# Altium PCB PCB_3U_DDS.PcbDoc (part 5 of 12)
Units mil, origin at the board's own origin, x right, y up, seen from the top; angles counter-clockwise.
Board outline 6338.37 x 3937 mil, 6 copper layers (L1, P2, L3, L4, P5, L6), stack 64.885 mil thick; 954 components, 537 nets, 3358 pads, 2342 vias.
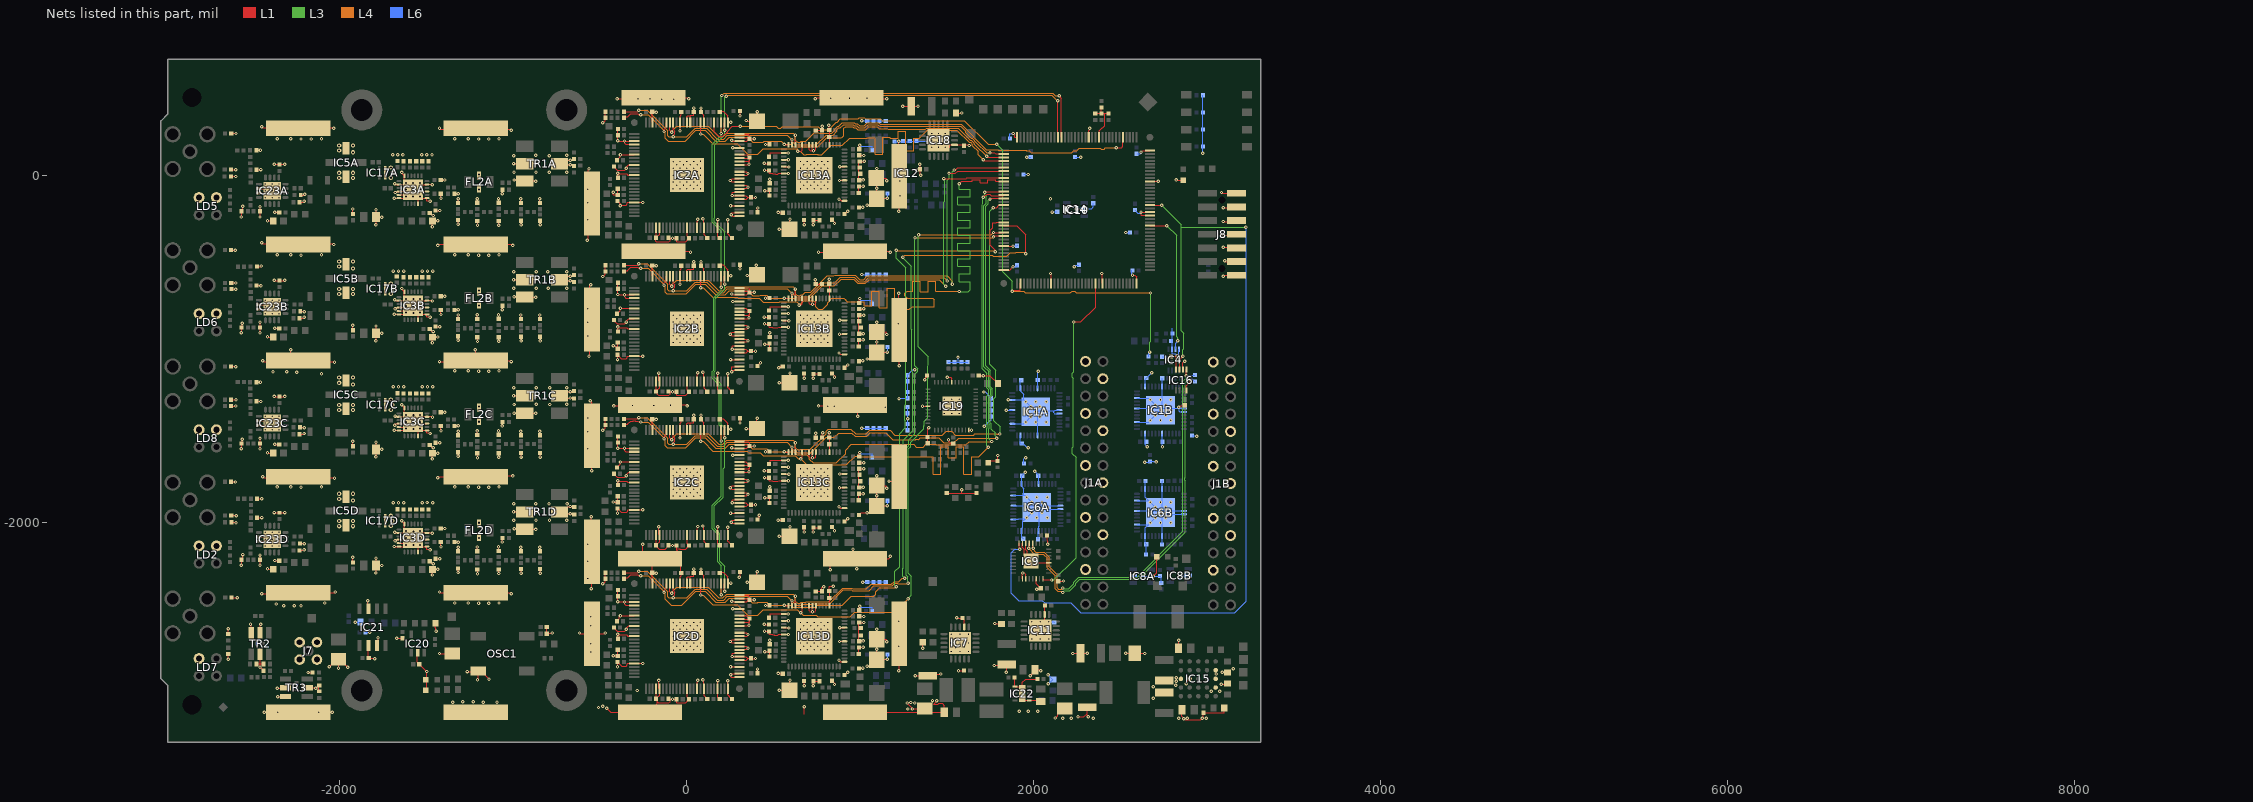
[diagram p9: the nets of this part, all layers, seen from the top]

## Via types
v1: diameter 19.68, hole 7.87, L1 to L6, tented both sides, 2254 vias
v2: diameter 23.62, hole 11.81, L1 to L6, tented both sides, 88 vias

## Nets (pads, with @x,y where several pads share a name; then routed paths per layer and width w, separated by ;. In a path a pad name is that pad's centre, name@x,y a point inside that pad or via, vN(x,y) a via of type N, cw(c..) or ccw(c..) an arc to the next point about the centre after c; other vN are vias at no path point) (continued)
DDS_PROFILE.P1: IC2A.53 IC2B.53 IC2C.53 IC2D.53 IC10.131 | length 5465.4
  L1 w5: IC2D.53@196.85,-2354.33 198.82,-2356.3 v1(198.82,-2418.41) ; IC2C.53@196.85,-1468.5 198.82,-1470.47 v1(198.82,-1532.58) ; IC2B.53@196.85,-582.68 198.82,-584.65 v1(198.82,-646.76) ; IC2A.53@196.85,303.15 198.87,301.13 v1(198.87,240.21) ; v1(2146.86,457.17) 2159.45,444.58 IC10.131@2159.45,218.4
  L3 w5: v1(198.82,-2418.41) 198.82,-2250.32 178.42,-2229.93 178.42,-2070.37 147.85,-2039.8 147.85,-1902.3 198.05,-1852.1 198.05,-1533.35 v1(198.82,-1532.58) 198.82,-1453.32 187.87,-1442.38 187.87,-1209.91 147.85,-1169.89 147.85,-1129.69 153.87,-1123.67 153.87,-707.28 198.82,-662.33 v1(198.82,-646.76) 198.82,-323.32 147.85,-272.36 147.85,177.7 198.87,228.72 v1(198.87,240.21) 198.87,457.08 198.82,457.13 v1(200.86,459.17)
  L4 w5: v1(200.86,459.17) 214.19,472.5 2108.07,472.5 2123.39,457.17 v1(2146.86,457.17)
DDS_PROFILE.P2: IC2A.52 IC2B.52 IC2C.52 IC2D.52 IC10.132 | length 5333.1
  L1 w5: IC2D.52@216.54,-2354.33 216.54,-2398.72 217.21,-2399.4 v1(217.77,-2399.4) ; IC2C.52@216.54,-1468.5 216.54,-1512.9 217.21,-1513.57 v1(217.77,-1513.57) ; IC2B.52@216.54,-582.68 216.54,-627.07 217.21,-627.74 v1(217.77,-627.74) ; IC2A.52@216.54,303.15 216.54,258.76 217.21,258.09 v1(217.77,258.09) ; v1(2137.86,429.17) 2137.86,220.31 IC10.132@2139.76,218.4
  L3 w5: v1(217.77,-2399.4) 217.77,-2253.74 189.41,-2225.38 189.41,-2065.82 158.84,-2035.25 158.84,-1906.85 209.04,-1856.65 209.04,-1692.06 217.77,-1683.33 v1(217.77,-1513.57) 217.77,-1456.74 198.86,-1437.83 198.86,-1205.36 158.84,-1165.34 158.84,-1134.24 164.86,-1128.22 164.86,-711.83 217.77,-658.91 v1(217.77,-627.74) 217.77,-326.74 158.84,-267.81 158.84,-248.42 160.86,-246.4 160.86,175.17 217.77,232.09 v1(217.77,258.09) 219.19,259.5 219.19,452.5 222.86,456.17 224.86,454.17 v1(226.86,454.17)
  L4 w5: v1(226.86,454.17) 226.86,456.17 231.44,460.76 805.51,460.76 806.69,459.58 821.15,459.58 822.33,460.76 2104.27,460.76 2135.86,429.17 v1(2137.86,429.17)
DDS_RESET: IC10.120 R142.2 R144.2 R145.2 R146.2 | length 267
  L1 w5.98: R146.2@2354,355.5 2355.5,357 R144.2@2390,357 ; IC10.120@2375.98,218.4 2375.98,255.8 2393.35,273.17 2397.39,273.17 2407.83,283.61 2407.83,301.41 2410.2,303.77 2410.2,335.37 2409.69,335.88 2409.69,337 2410,337.31 2410,355.5 ; R142.2@2391,390.5 2390,389.5 R144.2@2390,357 ; R145.2@2431,355.5 2410,355.5 ; R144.2@2390,357 R144.2@2390,355.5 2410,355.5
DDS_SCKI0: IC2A.69 IC10.3 IC13A.64 R40A.2 | length 2642.9
  L1 w5: R40A.2@-362.6,330.61 -362.6,322.76 -358.68,326.68 -349.33,336.03 -341.54,336.03 -340.81,336.75 -340.81,337.33 -324.08,354.05 -308.38,354.05 -307.98,354.46 -298.32,354.46 -297.92,354.05 -283.33,354.05 -275.63,346.35 -273.34,348.64 v1(-266.5,348.64) ; v1(-131.89,251.87) -131.89,261.62 -118.11,275.4 IC2A.69@-118.11,303.15 ; v1(562.01,177.06) 563.87,175.2 IC13A.64@586.22,175.2 ; v1(1727.95,108.27) 1733.96,102.26 IC10.3@1826.77,102.26
  L4 w5: v1(-266.5,348.64) -222.76,348.64 -128.94,254.82 -124.34,250.22 -124.34,211.83 -107.7,195.19 -10.41,195.19 52.17,257.77 105.31,257.77 166.31,196.78 222.47,196.78 245.08,219.39 350.3,219.39 380.2,189.48 440.44,189.48 445.76,194.8 544.27,194.8 v1(562.01,177.06) 598.97,177.06 612.86,163.17 754.01,163.17 805.28,214.43 890.99,214.43 895.75,219.19 896.44,219.19 905.51,228.26 905.51,270.45 915.35,280.3 955.41,280.3 961.47,274.23 973.89,274.23 986.51,261.61 1031.3,261.61 1049.98,280.3 1096.79,280.3 1108.76,268.33 1154.45,268.33 1159.6,263.17 1374.05,263.17 1381.6,270.72 1564.74,270.72 1634.99,200.47 1640.09,200.47 1657.26,183.3 1657.26,178.2 1659.8,175.66 1660.56,175.66 v1(1727.95,108.27)
DDS_SCKI1: IC2B.69 IC10.9 IC13B.64 R40B.2 | length 3188.7
  L1 w5: R40B.2@-362.6,-555.22 -362.6,-563.07 -358.68,-559.14 -349.33,-549.8 -341.54,-549.8 -340.81,-549.07 -340.81,-548.49 -324.08,-531.77 -308.38,-531.77 -307.98,-531.37 -298.32,-531.37 -297.92,-531.77 -283.33,-531.77 -275.63,-539.47 -273.34,-537.19 v1(-266.5,-537.19) ; v1(-131.89,-633.96) -131.89,-624.2 -118.11,-610.42 IC2B.69@-118.11,-582.68 ; v1(562.01,-708.76) 563.87,-710.63 IC13B.64@586.22,-710.63 ; v1(1481.89,-19.69) 1609.84,-19.69 1613.68,-15.85 IC10.9@1826.77,-15.85
  L3 w5: v1(1481.89,-19.69) 1487.85,-25.65 1487.85,-151.62 1481.89,-157.58 1481.89,-629.92 v1(1491.73,-639.76)
  L4 w5: v1(-266.5,-537.19) -222.76,-537.19 -128.94,-631.01 -124.34,-635.61 -124.34,-673.99 -114.55,-683.78 -3.56,-683.78 52.17,-628.06 105.31,-628.06 166.31,-689.05 222.47,-689.05 245.08,-666.44 350.3,-666.44 380.2,-696.34 416.75,-696.34 422.07,-691.03 460.94,-691.03 478.67,-708.76 v1(562.01,-708.76) 619.19,-708.76 628.98,-718.55 662.36,-718.55 668.07,-712.84 704.69,-712.84 779.7,-637.83 850.17,-637.83 889.17,-598.83 961.12,-598.83 986.51,-624.22 1028.99,-624.22 1050.38,-602.83 1454.8,-602.83 v1(1491.73,-639.76)
DDS_SCKI2: IC2C.69 IC10.13 IC13C.64 R40C.2 | length 4089
  L1 w5: R40C.2@-362.6,-1441.05 -362.6,-1448.89 -358.68,-1444.97 -349.33,-1435.63 -341.54,-1435.63 -340.81,-1434.9 -340.81,-1434.32 -324.08,-1417.6 -308.38,-1417.6 -307.98,-1417.2 -298.32,-1417.2 -297.92,-1417.6 -283.33,-1417.6 -275.63,-1425.3 -273.34,-1423.01 v1(-266.5,-1423.01) ; v1(-131.89,-1519.79) -131.89,-1510.03 -118.11,-1496.25 IC2C.69@-118.11,-1468.5 ; v1(562.01,-1594.59) 563.87,-1596.46 IC13C.64@586.22,-1596.46 ; v1(1718.11,-98.43) 1721.94,-94.59 IC10.13@1826.77,-94.59
  L3 w5: v1(1718.11,-98.43) 1718.11,-111.88 1726.59,-120.36 1726.59,-161.45 1712.78,-175.27 1712.78,-1104.26 1738.96,-1130.44 1738.96,-1222.16 1750.93,-1234.12 1750.93,-1265.88 1738.96,-1277.84 1738.96,-1307.61 1740.17,-1308.82 1740.17,-1431.56 1743.71,-1435.1 1743.71,-1459.38 1740.58,-1462.51 1740.58,-1518.53 v1(1757.48,-1535.43)
  L4 w5: v1(-266.5,-1423.01) -222.76,-1423.01 -128.94,-1516.83 -124.34,-1521.43 -124.34,-1559.82 -112.7,-1571.46 -5.41,-1571.46 52.17,-1513.88 105.31,-1513.88 166.31,-1574.88 222.47,-1574.88 245.08,-1552.27 350.3,-1552.27 376.5,-1578.47 394.98,-1578.47 396.59,-1576.85 460.94,-1576.85 478.67,-1594.59 v1(562.01,-1594.59) 617.62,-1594.59 634.42,-1611.39 691.92,-1611.39 706.08,-1625.55 706.08,-1637.61 727.65,-1659.18 862.18,-1659.18 915.52,-1605.84 915.52,-1584.59 947.83,-1552.27 1306.68,-1552.27 1322.17,-1567.76 1361.7,-1567.76 1377.19,-1552.27 1435.72,-1552.27 1438.27,-1554.83 1607.51,-1554.83 1626.91,-1535.43 v1(1757.48,-1535.43)
DDS_SCKI3: IC2D.69 IC10.22 IC13D.64 R40D.2 | length 4742.2
  L1 w5: R40D.2@-362.6,-2326.87 -362.6,-2334.72 -358.68,-2330.8 -349.33,-2321.45 -341.54,-2321.45 -340.81,-2320.73 -340.81,-2320.15 -324.08,-2303.43 -308.38,-2303.43 -307.98,-2303.02 -298.32,-2303.02 -297.92,-2303.43 -283.33,-2303.43 -275.63,-2311.13 -273.34,-2308.84 v1(-266.5,-2308.84) ; v1(-131.89,-2405.61) -131.89,-2395.86 -118.11,-2382.08 IC2D.69@-118.11,-2354.33 ; v1(562.01,-2480.42) 563.87,-2482.28 IC13D.64@586.22,-2482.28 ; v1(1778,-441) 1778,-434.23 1748.03,-404.26 1748.03,-318.02 1762.99,-303.06 1762.99,-274.23 1784.76,-274.23 1787.23,-271.76 IC10.22@1826.77,-271.76
  L3 w5: v1(1206.3,-2371.83) 1199.75,-2365.28 1199.75,-2283.67 1226.38,-2257.05 1226.38,-1490.16 1259.84,-1456.69 1259.84,-1415.34 1256.52,-1412.01 1256.52,-1328.47 1262.98,-1322.01 1262.98,-534.63 1206.3,-477.95 v1(1206.3,-433.07)
  L4 w5: v1(-266.5,-2308.84) -222.76,-2308.84 -128.94,-2402.66 -124.34,-2407.26 -124.34,-2445.65 -89.57,-2480.42 -28.54,-2480.42 52.17,-2399.71 105.31,-2399.71 166.31,-2460.7 222.47,-2460.7 245.08,-2438.09 350.3,-2438.09 377.49,-2465.28 407.48,-2465.28 410.08,-2462.68 460.94,-2462.68 478.67,-2480.42 v1(562.01,-2480.42) 600.45,-2480.42 610.23,-2490.2 739.23,-2490.2 749.78,-2479.65 795.2,-2479.65 795.45,-2479.91 895.2,-2479.91 948.82,-2426.28 1077.83,-2426.28 1089.52,-2414.6 1089.52,-2400.3 1111.6,-2378.21 1199.91,-2378.21 v1(1206.3,-2371.83) ; v1(1206.3,-433.07) 1207.72,-434.49 1777.76,-434.49 1778,-434.73 v1(1778,-441)
DDS_SDI0: IC2A.67 IC10.2 IC13A.63 R41A.2 | length 2625.9
  L1 w5: R41A.2@-362.6,366.04 -313.34,366.04 -312.94,366.44 -293.36,366.44 -292.96,366.04 -283.46,366.04 -278.31,371.19 v1(-278.31,374.23) ; v1(-78.74,220.37) -78.74,228.98 -69.03,238.68 -69.03,253.86 -78.74,263.57 IC2A.67@-78.74,303.15 ; IC13A.63@605.91,175.2 v1(605.91,204.03) ; v1(1747.64,127.95) 1773.33,127.95 1779.34,121.94 IC10.2@1826.77,121.94
  L3 w5: v1@-280.83,367.34 v1@-279.53,366.04
  L4 w5: v1(-278.31,374.23) -228.34,374.23 -110.52,256.41 -110.52,226.23 -104.66,220.37 v1(-78.74,220.37) -1.48,220.37 47.41,269.26 114.5,269.26 175.5,208.26 211.58,208.26 234.19,230.87 579.07,230.87 v1(605.91,204.03) 605.91,196.13 627.86,174.17 746.73,174.17 802.74,230.18 843.4,230.18 864.88,251.66 864.88,261.43 875.61,272.16 885.38,272.16 904.5,291.28 959.96,291.28 966.02,285.21 978.44,285.21 991.06,272.59 1026.75,272.59 1045.43,291.28 1101.34,291.28 1111.45,281.17 1376.51,281.17 1377.05,281.71 1569.29,281.71 1569.82,281.17 1577.85,281.17 1606.61,252.41 1606.61,244.38 1639.54,211.45 1644.64,211.45 1668.25,187.85 1668.25,187.66 1727.95,127.95 v1(1747.64,127.95)
DDS_SDI1: IC2B.67 IC10.7 IC13B.63 R41B.2 | length 3171
  L1 w5: R41B.2@-362.6,-519.79 -313.34,-519.79 -312.94,-519.38 -293.36,-519.38 -292.96,-519.79 -283.46,-519.79 -278.31,-514.64 v1(-278.31,-511.59) ; v1(-78.74,-665.46) -78.74,-656.85 -69.03,-647.14 -69.03,-631.96 -78.74,-622.26 IC2B.67@-78.74,-582.68 ; IC13B.63@605.91,-710.63 v1(605.91,-681.8) ; v1(1511.42,9.84) 1512.78,11.2 1548.54,11.2 1560.85,23.52 IC10.7@1826.77,23.52
  L3 w5: v1@-280.83,-518.48 v1@-279.53,-519.79 ; v1(1501.57,-610.24) 1501.57,-29.53 1511.42,-19.69 v1(1511.42,9.84)
  L4 w5: v1(-278.31,-511.59) -228.34,-511.59 -110.52,-629.41 -110.52,-659.6 -104.66,-665.46 v1(-78.74,-665.46) -1.48,-665.46 47.41,-616.57 114.5,-616.57 175.5,-677.57 211.58,-677.57 234.19,-654.96 579.07,-654.96 v1(605.91,-681.8) 607.76,-681.8 633.53,-707.56 657.81,-707.56 663.52,-701.86 701.53,-701.86 782.56,-620.83 851.64,-620.83 884.62,-587.84 965.67,-587.84 991.06,-613.23 1024.44,-613.23 1045.83,-591.84 1483.18,-591.84 v1(1501.57,-610.24)
DDS_SDI2: IC2C.67 IC10.15 IC13C.63 R41C.2 | length 4065.3
  L1 w5: R41C.2@-362.6,-1405.61 -313.34,-1405.61 -312.94,-1405.21 -293.36,-1405.21 -292.96,-1405.61 -283.46,-1405.61 -278.31,-1400.46 v1(-278.31,-1397.42) ; v1(-78.74,-1551.28) -78.74,-1542.68 -69.03,-1532.97 -69.03,-1517.79 -78.74,-1508.08 IC2C.67@-78.74,-1468.5 ; IC13C.63@605.91,-1596.46 v1(605.91,-1567.62) ; v1(1747.64,-137.8) 1743.8,-133.96 1747.64,-133.96 IC10.15@1826.77,-133.96
  L3 w5: v1@-280.83,-1404.31 v1@-279.53,-1405.61 ; v1(1747.64,-137.8) 1745.36,-137.8 1737.58,-145.57 1737.58,-166 1723.76,-179.82 1723.76,-1099.71 1749.94,-1125.89 1749.94,-1177.26 1749.59,-1177.61 1749.59,-1218.65 1760.93,-1229.98 1760.93,-1270.02 1750.17,-1280.77 1750.17,-1426.03 1754.69,-1430.55 1754.69,-1463.75 1777.17,-1486.22 1777.17,-1501.13 1787.01,-1510.97 v1(1787.01,-1515.75)
  L4 w5: v1(-278.31,-1397.42) -228.34,-1397.42 -110.52,-1515.24 -110.52,-1545.42 -104.66,-1551.28 v1(-78.74,-1551.28) -1.48,-1551.28 47.41,-1502.4 114.5,-1502.4 175.5,-1563.39 211.58,-1563.39 234.19,-1540.78 579.07,-1540.78 v1(605.91,-1567.62) 605.91,-1575.87 613.64,-1583.61 622.17,-1583.61 637.41,-1598.84 694.91,-1598.84 697.89,-1601.83 711.86,-1601.83 802.86,-1510.83 850.86,-1510.83 875.03,-1486.66 950.71,-1486.66 969.88,-1505.83 1036.86,-1505.83 1057.76,-1484.92 1147.85,-1484.92 1187.51,-1524.58 1318.99,-1524.58 1320.33,-1523.24 1334.7,-1523.24 1336.04,-1524.58 1336.99,-1524.58 1346.65,-1514.92 1452.85,-1514.92 1481.59,-1543.66 1538.43,-1543.66 1566.35,-1515.75 v1(1787.01,-1515.75)
DDS_SDI3: IC2D.67 IC10.26 IC13D.63 R41D.2 | length 4509.2
  L1 w5: R41D.2@-362.6,-2291.44 -313.34,-2291.44 -312.94,-2291.04 -293.36,-2291.04 -292.96,-2291.44 v1@-283.46,-2291.44 ; v1@-78.74,-2428.5 -69.03,-2418.8 -69.03,-2403.62 -78.74,-2393.91 IC2D.67@-78.74,-2354.33 ; IC13D.63@605.91,-2482.28 v1(605.91,-2453.45) ; v1@1767.95,-350.5 IC10.26@1826.77,-350.5
  L3 w5: v1(1275.2,-2352.36) 1273.84,-2351 1273.84,-2315.24 1264.93,-2306.34 1264.93,-1574.8 1279.53,-1560.21 1279.53,-1525.59 1314.57,-1490.55 1314.57,-1146.64 1331.2,-1130.01 1331.2,-1115.64 1314.57,-1099.01 1314.57,-361.72 v1(1314.96,-361.32)
  L4 w5: v1(-278.31,-2283.25) -228.34,-2283.25 -110.52,-2401.07 -110.52,-2431.25 -104.66,-2437.11 v1(-78.74,-2437.11) -1.48,-2437.11 47.41,-2388.22 114.5,-2388.22 175.5,-2449.22 211.58,-2449.22 234.19,-2426.61 579.07,-2426.61 v1(605.91,-2453.45) 631.67,-2479.22 657.81,-2479.22 662.2,-2474.83 725.08,-2474.83 730.26,-2469.65 799.34,-2469.65 799.6,-2469.91 822.88,-2469.91 902.65,-2390.14 950.04,-2390.14 954.85,-2394.94 1050.04,-2394.94 1076.77,-2368.21 1184,-2368.21 1198.71,-2353.5 1213.89,-2353.5 1217.17,-2356.78 1270.78,-2356.78 v1(1275.2,-2352.36) ; v1(1314.96,-361.32) 1762.89,-361.32 v1(1767.95,-356.26)
  L6 w5: v1@1767.72,-352.46 1767.95,-352.7 v1(1767.95,-356.26)
DDS_SDO0: IC2A.68 IC10.113 IC13A.62 | length 3024.3
  L1 w5: IC2A.68@-98.43,303.15 -98.43,258.51 v1@-90.13,250.21 ; v1@-94.18,246.27 v1(-87.36,246.27) ; IC13A.62@625.59,175.2 625.59,228.83 v1(625.98,229.23) ; v1@2474.41,159.06 2475.98,159.06 2505.61,159.06 2513.78,167.22 IC10.113@2513.78,218.4
  L4 w5: v1(-87.36,246.27) -87.36,253.09 -59.21,281.24 124.12,281.24 185.12,220.24 206.62,220.24 229.23,242.85 612.36,242.85 v1(625.98,229.23) 625.98,201.34 638.08,189.25 653.26,189.25 660.19,196.17 684.86,196.17 733.86,245.17 760.79,245.17 764.81,241.16 834.81,241.16 853.89,260.24 853.89,265.98 871.06,283.15 876.79,283.15 895.91,302.26 964.51,302.26 970.57,296.2 982.99,296.2 995.61,283.58 1022.2,283.58 1040.88,302.26 1105.89,302.26 1116,292.16 1371.96,292.16 1372.5,292.69 1573.84,292.69 1574.37,292.16 1582.4,292.16 1726.7,147.85 1791.44,147.85 1796.46,142.83 1955.38,142.83 1956.36,141.85 1972.94,141.85 1984.57,130.21 2218.18,130.21 2229.82,141.85 2246.39,141.85 2260.67,156.12 2335.94,156.12 2336.86,155.2 2366.67,155.2 2366.82,155.34 2383.31,155.34 2389.65,149 2404.84,149 2413.32,157.48 v1(2475.98,157.48)
DDS_SDO1: IC2B.68 IC10.6 IC13B.62 | length 2881.6
  L1 w5: IC2B.68@-98.43,-582.68 -98.43,-628.49 v1(-87.36,-639.55) ; IC13B.62@625.59,-710.63 625.59,-656.99 v1(625.98,-656.6) ; v1(1540.94,29.53) 1547.18,29.53 1560.85,43.2 IC10.6@1826.77,43.2
  L3 w5: v1(1531.1,-629.92) 1531.1,19.68 v1(1540.94,29.53)
  L4 w5: v1(-87.36,-639.55) -87.36,-632.74 -59.21,-604.59 124.12,-604.59 185.12,-665.58 206.62,-665.58 229.23,-642.97 612.36,-642.97 v1(625.98,-656.6) 627.34,-657.96 627.34,-685.84 638.08,-696.58 653.26,-696.58 658.97,-690.87 667.26,-690.87 682.31,-675.83 713.42,-675.83 808.06,-581.19 847.81,-581.19 852.13,-576.86 970.22,-576.86 995.61,-602.25 1019.89,-602.25 1041.28,-580.86 1501.72,-580.86 1531.1,-610.23 v1(1531.1,-629.92)
DDS_SDO2: IC2C.68 IC10.17 IC13C.62 | length 3622.3
  L1 w5: IC2C.68@-98.43,-1468.5 -98.43,-1514.32 v1(-87.36,-1525.38) ; IC13C.62@625.59,-1596.46 625.59,-1542.82 v1(625.98,-1542.43) ; v1(1767.32,-187.01) 1785.35,-187.01 1799.02,-173.33 IC10.17@1826.77,-173.33
  L3 w5: v1(1767.32,-187.01) 1745.73,-208.6 1745.73,-1090.8 1780.93,-1126 1780.93,-1278.3 1770.17,-1289.06 1770.17,-1414.96 1806.69,-1451.48 1806.69,-1490.05 v1(1804.54,-1492.2)
  L4 w5: v1(-87.36,-1525.38) -87.36,-1518.57 -59.21,-1490.41 124.12,-1490.41 185.12,-1551.41 206.62,-1551.41 229.23,-1528.8 612.36,-1528.8 v1(625.98,-1542.43) 625.98,-1570.31 638.08,-1582.41 653.26,-1582.41 654.84,-1580.83 712.04,-1580.83 803.52,-1489.34 803.52,-1477.75 815.31,-1465.96 822.37,-1465.96 824.5,-1463.83 944.86,-1463.83 972.86,-1491.83 1035.32,-1491.83 1055.31,-1471.84 1171.41,-1471.84 1199.15,-1499.58 1473.51,-1499.58 1495.51,-1477.58 1526.07,-1477.58 1547.62,-1499.14 1653,-1499.14 1660.64,-1491.5 1787.01,-1491.5 1787.71,-1492.2 v1(1804.54,-1492.2)
DDS_SDO3: IC2D.68 IC10.23 IC13D.62 | length 4502.3
  L1 w5: IC2D.68@-98.43,-2354.33 -98.43,-2400.14 v1(-87.36,-2411.21) ; IC13D.62@625.59,-2482.28 625.59,-2428.65 v1(625.98,-2428.25) ; IC10.23@1826.77,-291.44 1901.28,-291.44 1954.33,-344.49 v1(1954.33,-452.76)
  L3 w5: v1(1245.67,-472.44) 1245.67,-474.87 1294.88,-524.08 1294.88,-889.4 1296.52,-891.03 1296.52,-1130.01 1301.2,-1134.7 1301.2,-1474.39 1246.38,-1529.21 1246.38,-2265.33 1245.67,-2266.04 1245.67,-2312.99 v1(1255.51,-2322.83)
  L4 w5: v1(-87.36,-2411.21) -87.36,-2404.39 -59.21,-2376.24 124.12,-2376.24 185.12,-2437.24 206.62,-2437.24 229.23,-2414.63 612.36,-2414.63 v1(625.98,-2428.25) 625.98,-2456.14 638.08,-2468.23 653.26,-2468.23 659.67,-2461.83 684.86,-2461.83 687.04,-2459.65 803.48,-2459.65 803.74,-2459.91 818.74,-2459.91 898.51,-2380.14 954.18,-2380.14 958.99,-2384.94 1034.45,-2384.94 1062.01,-2357.39 1179.29,-2357.39 1194.16,-2342.52 1222.38,-2342.52 1242.06,-2322.83 v1(1255.51,-2322.83) ; v1(1245.67,-472.44) 1256.53,-461.58 1759.91,-461.58 1766.67,-468.34 1843.93,-468.34 1864.39,-447.88 1895.8,-447.88 1899.4,-444.27 1945.85,-444.27 v1(1954.33,-452.76)
DDS_SYNC_CLK0: IC2A.55 IC10.38 R31.2 | length 3985.8
  L1 w5: IC2A.55@157.48,303.15 157.48,249.98 184.59,222.87 207.08,222.87 235.11,250.9 235.11,254.43 261.86,281.17 v1(308.86,281.17) ; v1(1875.59,-669.29) 1878.06,-669.29 1885.22,-662.13 1923.23,-662.13 IC10.38@1923.23,-624.12 IC10.38@1924.8,-622.54
  L3 w5: v1(1787.01,177.17) 1821.51,142.66 1821.51,-557.58 1875.59,-611.66 v1(1875.59,-669.29) ; v1(2667.32,-1019.79) 2667.32,-962.58 2672.83,-957.07 v1(2672.83,-679.13)
  L4 w5: v1(308.86,281.17) 516.77,281.17 526.27,271.67 541.45,271.67 549.36,279.58 757.45,279.58 773.9,263.13 824.58,263.13 831.92,270.47 831.92,275.08 861.96,305.11 866.57,305.11 885.69,324.23 987.11,324.23 994.09,331.22 1023.62,331.22 1030.61,324.23 1114.99,324.23 1125.1,314.13 1362.86,314.13 1363.4,314.66 1600.3,314.66 1737.8,177.17 v1(1787.01,177.17) ; v1(1875.59,-669.29) 1925.7,-669.29 1927.05,-670.65 1942.24,-670.65 1950.72,-679.13 2210.34,-679.13 2220.82,-668.66 2235.18,-668.66 2245.66,-679.13 v1(2672.83,-679.13)
  L6 w5: R31.2@2661.42,-1046.56 2661.42,-1025.2 2666.82,-1019.79 v1(2667.32,-1019.79)
DDS_SYNC_CLK_OUTEN: IC4.3 IC10.86 | length 842
  L1 w6: IC10.86@2669.29,-291.44 v1(2766.88,-291.44)
  L3 w7: v1(2766.88,-291.44) 2823.15,-347.71 2823.15,-932.03 2830.31,-939.2 v1(2830.31,-954.72)
  L6 w7: IC4.3@2816.93,-1004.04 2816.93,-968.11 v1(2830.31,-954.72)
DDS_SYNC_CLKSEL: IC9.8 IC10.60 | length 1915.5
  L1 w5: v1(2229.92,-846.46) 2270.83,-846.46 2356.3,-760.99 IC10.60@2356.3,-624.12
  L1 w7: IC9.8@2052.76,-2326.77 2058.3,-2332.32 v1@2095.28,-2332.32
  L3 w7: v1(2102.36,-2333.73) 2106.22,-2337.58 2110.51,-2337.58 2243.51,-2204.58 2243.51,-1627.56 2222.66,-1606.7 2222.66,-1570.26 2226.05,-1566.87 2226.05,-1171.74 2220.67,-1166.37 2220.67,-1142.89 2229.92,-1133.64 v1(2229.92,-846.46)
DDS_SYNC_OUTEN: IC9.24 IC10.92 IC16.3 | length 5364
  L1 w5.98: IC9.24@1914.96,-2122.05 1914.96,-2151.18 v1(1919.29,-2155.51)
  L1 w7: IC10.92@2669.29,-173.33 v1(2737.35,-173.33) ; IC16.3@2840.16,-1120.08 2840.16,-1062.99 v1(2859.84,-1043.31)
  L3 w5.98: 2850,-300 v1(3223,-300)
  L3 w7: v1(2737.35,-173.33) 2850,-285.98 2850,-300 2850,-895.67 2865.83,-911.5 2865.83,-1001.58 2859.84,-1007.57 v1(2859.84,-1043.31)
  L6 w5.98: v1(1919.29,-2155.51) 1890.92,-2155.51 1869,-2177.43 1869,-2409 1912,-2452 2049.37,-2452 2063.37,-2466 2214,-2466 2270,-2522 3159,-2522 3224,-2457 3224,-301 v1(3223,-300)
DDS_UPDATE0: IC2A.59 IC10.4 IC13A.60 | length 2521.6
  L1 w5: IC2A.59@78.74,303.15 78.74,238.09 v1(79.72,237.1) ; v1(639.86,138.17) 658.95,138.17 664.96,144.19 IC13A.60@664.96,175.2 ; v1(1708.27,88.58) 1714.28,82.57 IC10.4@1826.77,82.57
  L4 w5: v1(79.72,237.1) 94.49,237.1 150.59,181 291.34,181 351.38,120.96 407.48,120.96 439.96,153.44 607.06,153.44 608.31,152.19 636.46,152.19 639.86,148.8 v1@636.79,145.73 ; v1(639.86,138.17) 654.48,138.17 674.98,117.67 689.35,117.67 691.68,120 753.51,120 755.9,117.61 777.82,117.61 831.38,171.17 896.42,171.17 938.76,213.52 1003.94,213.52 1040.33,213.52 1040.33,216.25 1084.7,216.25 1084.7,213.52 1084.7,121.34 1129.07,121.34 1129.07,213.52 1129.07,218.23 1173.44,218.23 1173.44,213.52 1217.81,213.52 1217.81,253.17 1262.19,253.17 1262.19,213.52 1262.19,141.59 1306.56,141.59 1306.56,213.52 1328.74,213.52 1339.93,213.52 1386.15,259.74 1556.8,259.74 1627.05,189.48 1635.54,189.48 1646.28,178.75 1646.28,170.26 1678.74,137.8 1678.74,118.11 v1(1708.27,88.58)
DDS_UPDATE1: IC2B.59 IC10.10 IC13B.60 | length 4735.6
  L1 w5: IC2B.59@78.74,-582.68 78.74,-647.74 v1(79.72,-648.72) ; v1(646.86,-749.83) 656.77,-749.83 664.96,-741.64 IC13B.60@664.96,-710.63 ; v1(1570.47,-49.21) 1584.15,-35.54 1624.02,-35.54 1646.2,-35.54 1646.2,-25.85 1690.57,-25.85 1690.57,-35.54 1690.57,-44.72 1734.94,-44.72 1734.94,-35.54 1734.94,-25.85 1779.31,-25.85 1779.31,-35.54 1801.18,-35.54 IC10.10@1826.77,-35.54
  L3 w5: v1(1570.47,-670.83) 1622.48,-670.83 1633.47,-659.84 1633.47,-658.05 ; v1(1570.47,-49.21) 1570.47,-59.06 1570.47,-81.24 1633.47,-81.24 1633.47,-125.61 1570.47,-125.61 1561.93,-125.61 1561.93,-169.98 1570.47,-169.98 1633.47,-169.98 1633.47,-214.35 1570.47,-214.35 1561.93,-214.35 1561.93,-258.72 1570.47,-258.72 1633.47,-258.72 1633.47,-303.09 1570.47,-303.09 1561.93,-303.09 1561.93,-347.46 1570.47,-347.46 1633.47,-347.46 1633.47,-391.83 1570.47,-391.83 1561.93,-391.83 1561.93,-436.2 1570.47,-436.2 1633.47,-436.2 1633.47,-480.57 1570.47,-480.57 1561.93,-480.57 1561.93,-524.94 1570.47,-524.94 1633.47,-524.94 1633.47,-569.31 1570.47,-569.31 1570.47,-613.68 1633.47,-613.68 1633.47,-658.05 ; 1633.47,-649.61 1633.47,-658.05
  L4 w5: v1(79.72,-648.72) 94.49,-648.72 150.59,-704.83 291.34,-704.83 297.24,-710.73 418.31,-710.73 439.96,-732.39 532.78,-732.39 535.65,-729.51 632.34,-729.51 v1@649.63,-746.81 ; v1(646.86,-749.83) 646.86,-749.58 v1@649.63,-746.81 ; v1(1570.47,-670.83) 1568.17,-668.52 1476.38,-668.52 1434.82,-668.52 1434.82,-612.83 1390.45,-612.83 1390.45,-668.52 1390.45,-671.64 1346.08,-671.64 1346.08,-668.52 1346.08,-612.83 1301.71,-612.83 1301.71,-668.52 1279.53,-668.52 1270.45,-668.52 1256.79,-682.18 1256.79,-695.77 1269.69,-708.66 1417.32,-708.66 1427.17,-718.5 1427.17,-757.87 1299.21,-757.87 1282.79,-774.3 1243.13,-774.3 1198.76,-774.3 1198.76,-730.17 1198.76,-651.45 1154.39,-651.45 1154.39,-730.17 1154.39,-764.49 1110.02,-764.49 1110.02,-730.17 1110.02,-669.14 1065.65,-669.14 1065.65,-730.17 1065.65,-752.54 1021.28,-752.54 1021.28,-730.17 976.91,-730.17 954.72,-730.17 925.67,-730.17 915.52,-720.01 915.52,-718.67 905.51,-708.66 836.61,-708.66 811.02,-734.25 811.02,-744.66 782.33,-773.35 756.6,-773.35 742.74,-759.49 742.74,-736.61 729.96,-723.83 672.61,-723.83 v1@649.63,-746.81
DDS_UPDATE2: IC2C.59 IC10.14 IC13C.60 | length 4118.1
  L1 w5: IC2C.59@78.74,-1468.5 78.74,-1533.57 v1(79.72,-1534.55) ; v1(656.5,-1635.93) 664.96,-1627.46 IC13C.60@664.96,-1596.46 ; v1(1708.27,-127.95) 1719.47,-116.75 1725.7,-116.75 1732.83,-109.63 1745.39,-109.63 1753.87,-118.11 1822.94,-118.11 IC10.14@1826.77,-114.28
  L3 w5: v1(1708.27,-127.95) 1707.13,-129.09 1707.13,-165.38 1701.79,-170.72 1701.79,-1115.57 1727.97,-1141.75 1727.97,-1225.31 1740.93,-1238.27 1740.93,-1261.73 1727.97,-1274.69 1727.97,-1312.16 1729.59,-1313.78 1729.59,-1436.52 1732.72,-1439.65 1732.72,-1454.83 1729.59,-1457.96 1729.59,-1560.63 v1(1737.8,-1568.83)
  L4 w5: v1(79.72,-1534.55) 94.49,-1534.55 150.59,-1590.65 348.43,-1590.65 358.27,-1600.5 422.24,-1600.5 439.96,-1618.21 625.71,-1618.21 643.43,-1635.93 v1(656.5,-1635.93) 690.73,-1670.16 919.52,-1670.16 969.86,-1619.83 1000.51,-1619.83 1004.81,-1624.13 1299.21,-1624.13 1419.35,-1624.13 1419.35,-1724.13 1463.72,-1724.13 1463.72,-1624.13 1463.72,-1564.82 1508.09,-1564.82 1508.09,-1624.13 1508.09,-1628.49 1552.46,-1628.49 1552.46,-1624.13 1552.46,-1564.82 1596.83,-1564.82 1596.83,-1624.13 1596.83,-1724.13 1641.2,-1724.13 1641.2,-1624.13 1663.39,-1624.13 1682.49,-1624.13 v1(1737.8,-1568.83)
DDS_UPDATE3: IC2D.59 IC10.25 IC13D.60 | length 4109.3
  L1 w5: IC2D.59@78.74,-2354.33 78.74,-2419.39 v1(79.72,-2420.38) ; v1(656.5,-2521.76) 664.96,-2513.29 IC13D.60@664.96,-2482.28 ; v1(1767.72,-330.81) IC10.25@1826.77,-330.81
  L3 w5: v1(1275.2,-2440.94) 1293.52,-2422.62 1293.52,-2311.63 1275.92,-2294.03 1275.92,-1577.96 1289.53,-1564.35 1289.53,-1540.12 1366.53,-1463.12 1366.53,-1445.09 1368.11,-1443.51 1368.11,-1417.32 1387.8,-1397.64 1387.8,-1188.36 1388.74,-1187.42 1388.74,-1173.06 1387.8,-1172.11 1387.8,-1100.42 1392.2,-1096.01 1392.2,-1047.71 1334.25,-989.76 1334.25,-344 v1(1335.63,-342.62)
  L4 w5: v1(79.72,-2420.38) 94.49,-2420.38 150.59,-2476.48 291.34,-2476.48 351.38,-2536.52 407.48,-2536.52 439.96,-2504.04 635.21,-2504.04 652.93,-2521.76 v1(656.5,-2521.76) 670.57,-2535.83 746.03,-2535.83 755.2,-2545 943.29,-2545 968.5,-2519.79 1196.35,-2519.79 v1(1275.2,-2440.94) ; v1(1335.63,-342.62) 1755.91,-342.62 v1(1767.72,-330.81)
FB_SYNC_N: IC9.20 IC16.1 R114.2 | length 2214.6
  L1 w6: IC9.20@1993.7,-2122.05 1993.7,-2145.99 1993.51,-2145.8 1993.51,-2148.58 v1(1996.51,-2151.58) ; v1(2879.53,-1157.57) IC16.1@2879.53,-1120.08
  L3 w7: v1(2166.87,-2379.79) 2170.87,-2383.79 2201.87,-2383.79 2229.87,-2355.79 2229.87,-2347.82 2259.9,-2317.79 2595.87,-2317.79 2859.84,-2053.82 2859.84,-1765.35 2859.03,-1764.54 2859.03,-1739.4 2859.84,-1738.59 2859.84,-1292.4 2860.06,-1292.18 2860.06,-1276.17 2859.84,-1275.95 2859.84,-1189.27 2879.53,-1169.58 v1(2879.53,-1157.57)
  L4 w7: v1@1990.51,-2152.61 1993,-2155.1 2010.31,-2172.41 2018.08,-2172.41 2019.52,-2173.85 2060.8,-2173.85 2088.77,-2201.82 2088.77,-2258.17 2134.93,-2304.33 2134.93,-2379.79 2141.93,-2386.79 2159.87,-2386.79 v1(2166.87,-2379.79)
  L6 w6: v1(2879.53,-1157.57) 2885.6,-1157.57 2890.42,-1152.76 R114.2@2928.74,-1152.76
FB_SYNC_P: IC9.21 IC16.8 R114.1 | length 2274
  L1 w6: v1(1970.51,-2151.58) 1974.02,-2148.08 IC9.21@1974.02,-2122.05 ; IC16.8@2879.53,-1242.13 2879.53,-1214.52 2900.02,-1194.03 v1(2900.02,-1178.07)
  L3 w7: v1(2166.87,-2405.79) 2176.87,-2395.79 2206.84,-2395.79 2241.87,-2360.76 2241.87,-2352.79 2264.87,-2329.79 2600.84,-2329.79 2871.84,-2058.79 2871.84,-1760.38 2871.03,-1759.57 2871.03,-1744.37 2871.84,-1743.56 2871.84,-1297.38 2872.06,-1297.15 2872.06,-1271.2 2871.84,-1270.98 2871.84,-1194.24 2888.01,-1178.07 v1(2900.02,-1178.07)
  L4 w7: v1(1970.51,-2151.58) 2003.34,-2184.41 2013.11,-2184.41 2014.55,-2185.85 2055.83,-2185.85 2076.77,-2206.8 2076.77,-2263.14 2122.93,-2309.3 2122.93,-2384.76 2136.96,-2398.79 2159.87,-2398.79 v1(2166.87,-2405.79)
  L6 w6: v1(2900.02,-1178.07) 2906.47,-1178.07 2911.76,-1172.78 R114.1@2928.74,-1189.76
GND: C1.1 C2A.1 C2B.1 C3A.1 C3B.1 C4A.1 C4B.1 C5A.1 C5B.1 C6A.1 C6B.1 C7A.1 C7B.1 C8A.1 C8B.1 C9A.1 C9B.1 C10A.1 C10B.1 C11.2 C12A.1 C12B.1 C12C.1 C12D.1 C13.1 C14A.1 C14B.1 C14C.1 C14D.1 C15A.1 C15B.1 C15C.1 C15D.1 C16A.1 C16B.1 C16C.1 C16D.1 C17A.1 C17B.1 C17C.1 C17D.1 C18A.1 C18B.1 C18C.1 C18D.1 C19A.1 C19B.1 C19C.1 C19D.1 C20A.1 C20B.1 C20C.1 C20D.1 C21A.1 C21B.1 C21C.1 C21D.1 C22A.1 C22B.1 C22C.1 C22D.1 C23A.1 C23B.1 C23C.1 C23D.1 C24A.1 C24B.1 C24C.1 C24D.1 C25.1 C26A.1 C26B.1 C26C.1 C26D.1 C27A.1 C27B.1 C27C.1 C27D.1 C31.2 C32.1 C33.2 C34.1 C35.2 C37.2 C38A.2 C38B.2 C38C.2 C38D.2 C39A.1 C39B.1 C39C.1 C39D.1 C40A.1 C40B.1 C40C.1 C40D.1 C41.1 C42.1 C43A.1 C43B.1 C43C.1 C43D.1 C45.1 C46.1 C48.1 C51A.1 C51B.1 C51C.1 C51D.1 C52A.1 C52B.1 C52C.1 C52D.1 C53A.1 C53B.1 C53C.1 C53D.1 C63.2 C64.1 C67.1 C69.1 C70.1 C73.1 C74.2 C75.1 C76.2 C77.1 C78.1 C79.2 C80.2 C82A.1 C82B.1 C82C.1 C82D.1 C83A.1 C83B.1 C83C.1 C83D.1 C84A.2 C84B.2 C84C.2 C84D.2 C85A.1 C85B.1 C85C.1 C85D.1 C86.1 C87A.1 C87B.1 C87C.1 C87D.1 C89.1 C90.1 C91.1 C94.1 C97.1 C98.1 C100.1 C101.1 C102.1 C104.1 C105A.1 C105B.1 C105C.1 C105D.1 C106A.1 C106B.1 C106C.1 C106D.1 C108A.1 C108B.1 C108C.1 C108D.1 C109A.1 C109B.1 C109C.1 C109D.1 C110A.1 C110B.1 C110C.1 C110D.1 C111A.1 C111B.1 C111C.1 C111D.1 C114A.2 C114B.2 C114C.2 C114D.2 C115A.2 C115B.2 C115C.2 C115D.2 C116A.1 C116B.1 C116C.1 C116D.1 C117A.1 C117B.1 C117C.1 C117D.1 C118A.1 C118B.1 C118C.1 C118D.1 C119A.1 C119B.1 C119C.1 C119D.1 C120A.1 C120B.1 C120C.1 C120D.1 C124A.1 C124B.1 C124C.1 C124D.1 C125A.1 C125B.1 C125C.1 C125D.1 C126A.1 C126B.1 C126C.1 C126D.1 C127A.1 C127B.1 C127C.1 C127D.1 C128A.1 C128B.1 C128C.1 C128D.1 C129A.1 C129B.1 C129C.1 C129D.1 C130A.1 C130B.1 C130C.1 C130D.1 C133A.1 C133B.1 C133C.1 C133D.1 C134A.1 C134B.1 C134C.1 C134D.1 C135A.1 C135B.1 C135C.1 C135D.1 C136A.1 C136B.1 C136C.1 C136D.1 C137A.1 C137B.1 C137C.1 C137D.1 C138A.1 C138B.1 C138C.1 C138D.1 C140A.1 C140B.1 C140C.1 C140D.1 C141A.1 C141B.1 C141C.1 C141D.1 C142A.1 C142B.1 C142C.1 C142D.1 C143A.1 C143B.1 C143C.1 C143D.1 C144A.1 C144B.1 C144C.1 C144D.1 C146A.1 C146B.1 C146C.1 C146D.1 C147A.1 C147B.1 C147C.1 C147D.1 C148A.1 C148B.1 C148C.1 C148D.1 C149A.1 C149B.1 C149C.1 C149D.1 C150A.1 C150B.1 C150C.1 C150D.1 C151A.1 C151B.1 C151C.1 C151D.1 C153A.1 C153B.1 C153C.1 C153D.1 C154A.1 C154B.1 C154C.1 C154D.1 C155.2 C156.2 C157A.1 C157B.1 C157C.1 C157D.1 C158A.1 C158B.1 C158C.1 C158D.1 C159A.1 C159B.1 C159C.1 C159D.1 C160.2 C161.1 C162A.2 C162B.2 C162C.2 C162D.2 C163.1 C164A.2 C164B.2 C164C.2 C164D.2 C165.1 C166.1 C167.2 C168.1 C169.1 C171.1 C172A.2 C172B.2 C172C.2 C172D.2 C173.1 C174.1 C176A.2 C176B.2 C176C.2 C176D.2 C177.1 C178.1 C179.1 C180A.2 C180B.2 C180C.2 C180D.2 C181.1 C182.1 C183.1 C184.1 C185.1 C186.1 C187.1 C188.1 C191.1 C192.1 C193.1 C195.2 C197.1 C198.1 C199.1 C200.1 C201.1 C202A.2 C202B.2 C202C.2 C202D.2 C203A.1 C203B.1 C203C.1 C203D.1 C204A.1 C204B.1 C204C.1 C204D.1 C205A.1 C205B.1 C205C.1 C205D.1 C206A.1 C206B.1 C206C.1 C206D.1 C207A.1 C207B.1 C207C.1 C207D.1 CLIP1.1 CLIP2.1 CLIP3.1 CLIP4.1 CLIP5.1 CLIP6.1 CLIP7.1 CLIP8.1 CLIP9.1 CLIP10.1 CLIP11.1 CLIP12.1 CLIP13.1 CLIP14.1 CLIP15.1 CLIP16.1 CLIP17.1 CLIP18.1 CLIP19.1 CLIP20.1 CLIP21.1 CLIP22.1 CLIP23.1 CLIP24.1 CLIP25.1 CLIP26.1 CLIP27.1 CLIP28.1 CLIP29.1 CLIP30.1 CLIP31.1 FL2A.2 FL2A.4 FL2B.2 FL2B.4 FL2C.2 FL2C.4 FL2D.2 FL2D.4 IC1A.6 IC1A.7 IC1A.18 IC1A.23 IC1A.27 IC1A.31 IC1A.34 IC1A.38 IC1A.43 IC1A.49 IC1B.6 IC1B.7 IC1B.18 IC1B.23 IC1B.27 IC1B.31 IC1B.34 IC1B.38 IC1B.43 IC1B.49 IC2A.4 IC2A.5 IC2A.13 IC2A.16 IC2A.18 IC2A.22 IC2A.25 IC2A.26 IC2A.27 IC2A.29 IC2A.31 IC2A.32 IC2A.33 IC2A.34 IC2A.35 IC2A.36 IC2A.37 IC2A.38 IC2A.39 IC2A.41 IC2A.42 IC2A.43 IC2A.44 IC2A.46 IC2A.48 IC2A.49 IC2A.50 IC2A.51 IC2A.58 IC2A.62 IC2A.63 IC2A.65 IC2A.73 IC2A.78 IC2A.79 IC2A.82 IC2A.85 IC2A.88 IC2A.96 IC2A.101 IC2B.4 IC2B.5 IC2B.13 IC2B.16 IC2B.18 IC2B.22 IC2B.25 IC2B.26 IC2B.27 IC2B.29 IC2B.31 IC2B.32 IC2B.33 IC2B.34 IC2B.35 IC2B.36 IC2B.37 IC2B.38 IC2B.39 IC2B.41 IC2B.42 IC2B.43 IC2B.44 IC2B.46 IC2B.48 IC2B.49 IC2B.50 IC2B.51 IC2B.58 IC2B.62 IC2B.63 IC2B.65 IC2B.73 IC2B.78 IC2B.79 IC2B.82 IC2B.85 IC2B.88 IC2B.96 IC2B.101 IC2C.4 IC2C.5 IC2C.13 IC2C.16 IC2C.18 IC2C.22 IC2C.25 IC2C.26 IC2C.27 IC2C.29 IC2C.31 IC2C.32 IC2C.33 IC2C.34 IC2C.35 IC2C.36 IC2C.37 IC2C.38 IC2C.39 IC2C.41 IC2C.42 IC2C.43 IC2C.44 IC2C.46 IC2C.48 IC2C.49 IC2C.50 IC2C.51 IC2C.58 IC2C.62 IC2C.63 IC2C.65 IC2C.73 IC2C.78 IC2C.79 IC2C.82 IC2C.85 IC2C.88 IC2C.96 IC2C.101 IC2D.4 IC2D.5 IC2D.13 IC2D.16 IC2D.18 IC2D.22 IC2D.25 IC2D.26 IC2D.27 IC2D.29 IC2D.31 IC2D.32 IC2D.33 IC2D.34 IC2D.35 IC2D.36 IC2D.37 IC2D.38 IC2D.39 IC2D.41 IC2D.42 IC2D.43 IC2D.44 IC2D.46 IC2D.48 IC2D.49 IC2D.50 IC2D.51 IC2D.58 IC2D.62 IC2D.63 IC2D.65 IC2D.73 IC2D.78 IC2D.79 IC2D.82 IC2D.85 IC2D.88 IC2D.96 IC2D.101 IC3A.1 IC3A.3 IC3A.5 IC3A.12 IC3A.14 IC3A.16 IC3A.17 IC3A.18 IC3A.23 IC3A.25 IC3B.1 IC3B.3 IC3B.5 IC3B.12 IC3B.14 IC3B.16 IC3B.17 IC3B.18 IC3B.23 IC3B.25 IC3C.1 IC3C.3 IC3C.5 IC3C.12 IC3C.14 IC3C.16 IC3C.17 IC3C.18 IC3C.23 IC3C.25 IC3D.1 IC3D.3 IC3D.5 IC3D.12 IC3D.14 IC3D.16 IC3D.17 IC3D.18 IC3D.23 IC3D.25 IC4.2 IC4.4 IC5A.2 IC5A.4 IC5B.2 IC5B.4 IC5C.2 IC5C.4 IC5D.2 IC5D.4 IC6A.6 IC6A.7 IC6A.18 IC6A.23 IC6A.27 IC6A.31 IC6A.34 IC6A.38 IC6A.43 IC6A.49 IC6B.6 IC6B.7 IC6B.18 IC6B.23 IC6B.27 IC6B.31 IC6B.34 IC6B.38 IC6B.43 IC6B.49 IC7.12 IC7.21 IC8A.2 IC8B.2 IC9.2 IC9.3 IC9.6 IC9.12 IC9.22 IC9.23 IC9.33 IC10.29 IC10.36 IC10.47 IC10.62 IC10.72 IC10.89 IC10.90 IC10.99 IC10.108 IC10.123 IC10.144 IC11.12 IC11.21 IC12.4 IC13A.2 IC13A.4 IC13A.6 IC13A.8 IC13A.33 IC13A.39 IC13A.43 IC13A.52 IC13A.56 IC13A.57 IC13A.58 IC13A.65 IC13B.2 IC13B.4 IC13B.6 IC13B.8 IC13B.33 IC13B.39 IC13B.43 IC13B.52 IC13B.56 IC13B.57 IC13B.58 IC13B.65 IC13C.2 IC13C.4 IC13C.6 IC13C.8 IC13C.33 IC13C.39 IC13C.43 IC13C.52 IC13C.56 IC13C.57 IC13C.58 IC13C.65 IC13D.2 IC13D.4 IC13D.6 IC13D.8 IC13D.33 IC13D.39 IC13D.43 IC13D.52 IC13D.56 IC13D.57 IC13D.58 IC13D.65 IC14.2 IC15.B5 IC15.C1 IC15.C2 IC15.C5 IC15.D5 IC16.2 IC16.4 IC17A.3 IC17B.3 IC17C.3 IC17D.3 IC18.12 IC18.21 IC19.6 IC19.22 IC19.39 IC19.45 IC20.2 IC21.3 IC21.6 IC21.7 IC22.1 IC22.6 IC22.11 IC23A.10 IC23A.11 IC23A.17 IC23B.10 IC23B.11 IC23B.17 IC23C.10 IC23C.11 IC23C.17 IC23D.10 IC23D.11 IC23D.17 J1A.1 J1A.4 J1A.7 J1A.10 J1A.13 J1A.16 J1A.19 J1A.22 J1A.25 J1B.1 J1B.4 J1B.7 J1B.10 J1B.13 J1B.16 J1B.19 J1B.22 J1B.25 J7.2 J8.1 J8.3 J8.5 J8.7 J8.9 J8.11 J8.13 LD1.1 LD2.1 LD2.3 LD3.1 LD4.1 LD5.1 LD5.3 LD6.1 LD6.3 LD7.1 LD8.1 LD8.3 LD9.1 LD10.1 OSC1.2 R1A.2 R1B.2 R3A.1 R3B.1 R3C.1 R3D.1 R4A.1 R4B.1 R4C.1 R4D.1 R6.1 R14A.2 R14B.2 R15A.2 R15B.2 R15C.2 R15D.2 R18A.1 R18B.1 R18C.1 R18D.1 R19A.1 R19B.1 R19C.1 R19D.1 R20A.1 R20B.1 R20C.1 R20D.1 R34.1 R37.1 R38A.2 R38B.2 R38C.2 R38D.2 R39.1 R42.1 R45.1 R54A.2 R54B.2 R54C.2 R54D.2 R55.2 R57A.2 R57B.2 R57C.2 R57D.2 R58A.2 R58B.2 R58C.2 R58D.2 R60.1 R61.1 R62.1 R63.1 R64.1 R65.1 R69.1 R70.1 R71.1 R72.1 R74.1 R75.1 R76.1 R77.1 R80.1 R81.1 R82.2 R83.1 R85.1 R86.1 R87.2 R88A.1 R88B.1 R88C.1 R88D.1 R89A.2 R89B.2 R89C.2 R89D.2 R94A.1 R94B.1 R94C.1 R94D.1 R95.1 R100A.2 R100B.2 R100C.2 R100D.2 R101.1 R102.1 R104A.1 R104B.1 R104C.1 R104D.1 R105A.1 R105B.1 R105C.1 R105D.1 R106A.1 R106B.1 R106C.1 R106D.1 R107A.1 R107B.1 R107C.1 R107D.1 R108.2 R110.2 R111.1 R112A.2 R112B.2 R112C.2 R112D.2 R119.1 R126.1 R127.1 R128.1 R130.1 R132.1 R135.1 R136.1 R138A.1 R138B.1 R138C.1 R138D.1 R141.1 TR1A.2 TR1A.3 TR1A.5 TR1B.2 TR1B.3 TR1B.5 TR1C.2 TR1C.3 TR1C.5 TR1D.2 TR1D.3 TR1D.5 TR2.1 TR2.2 TR2.5 TR3.1 TR3.2 TR3.5 | length 59551.6